# Altium PCB 2-quilter-output.PcbDoc (part 19 of 26) (continued)
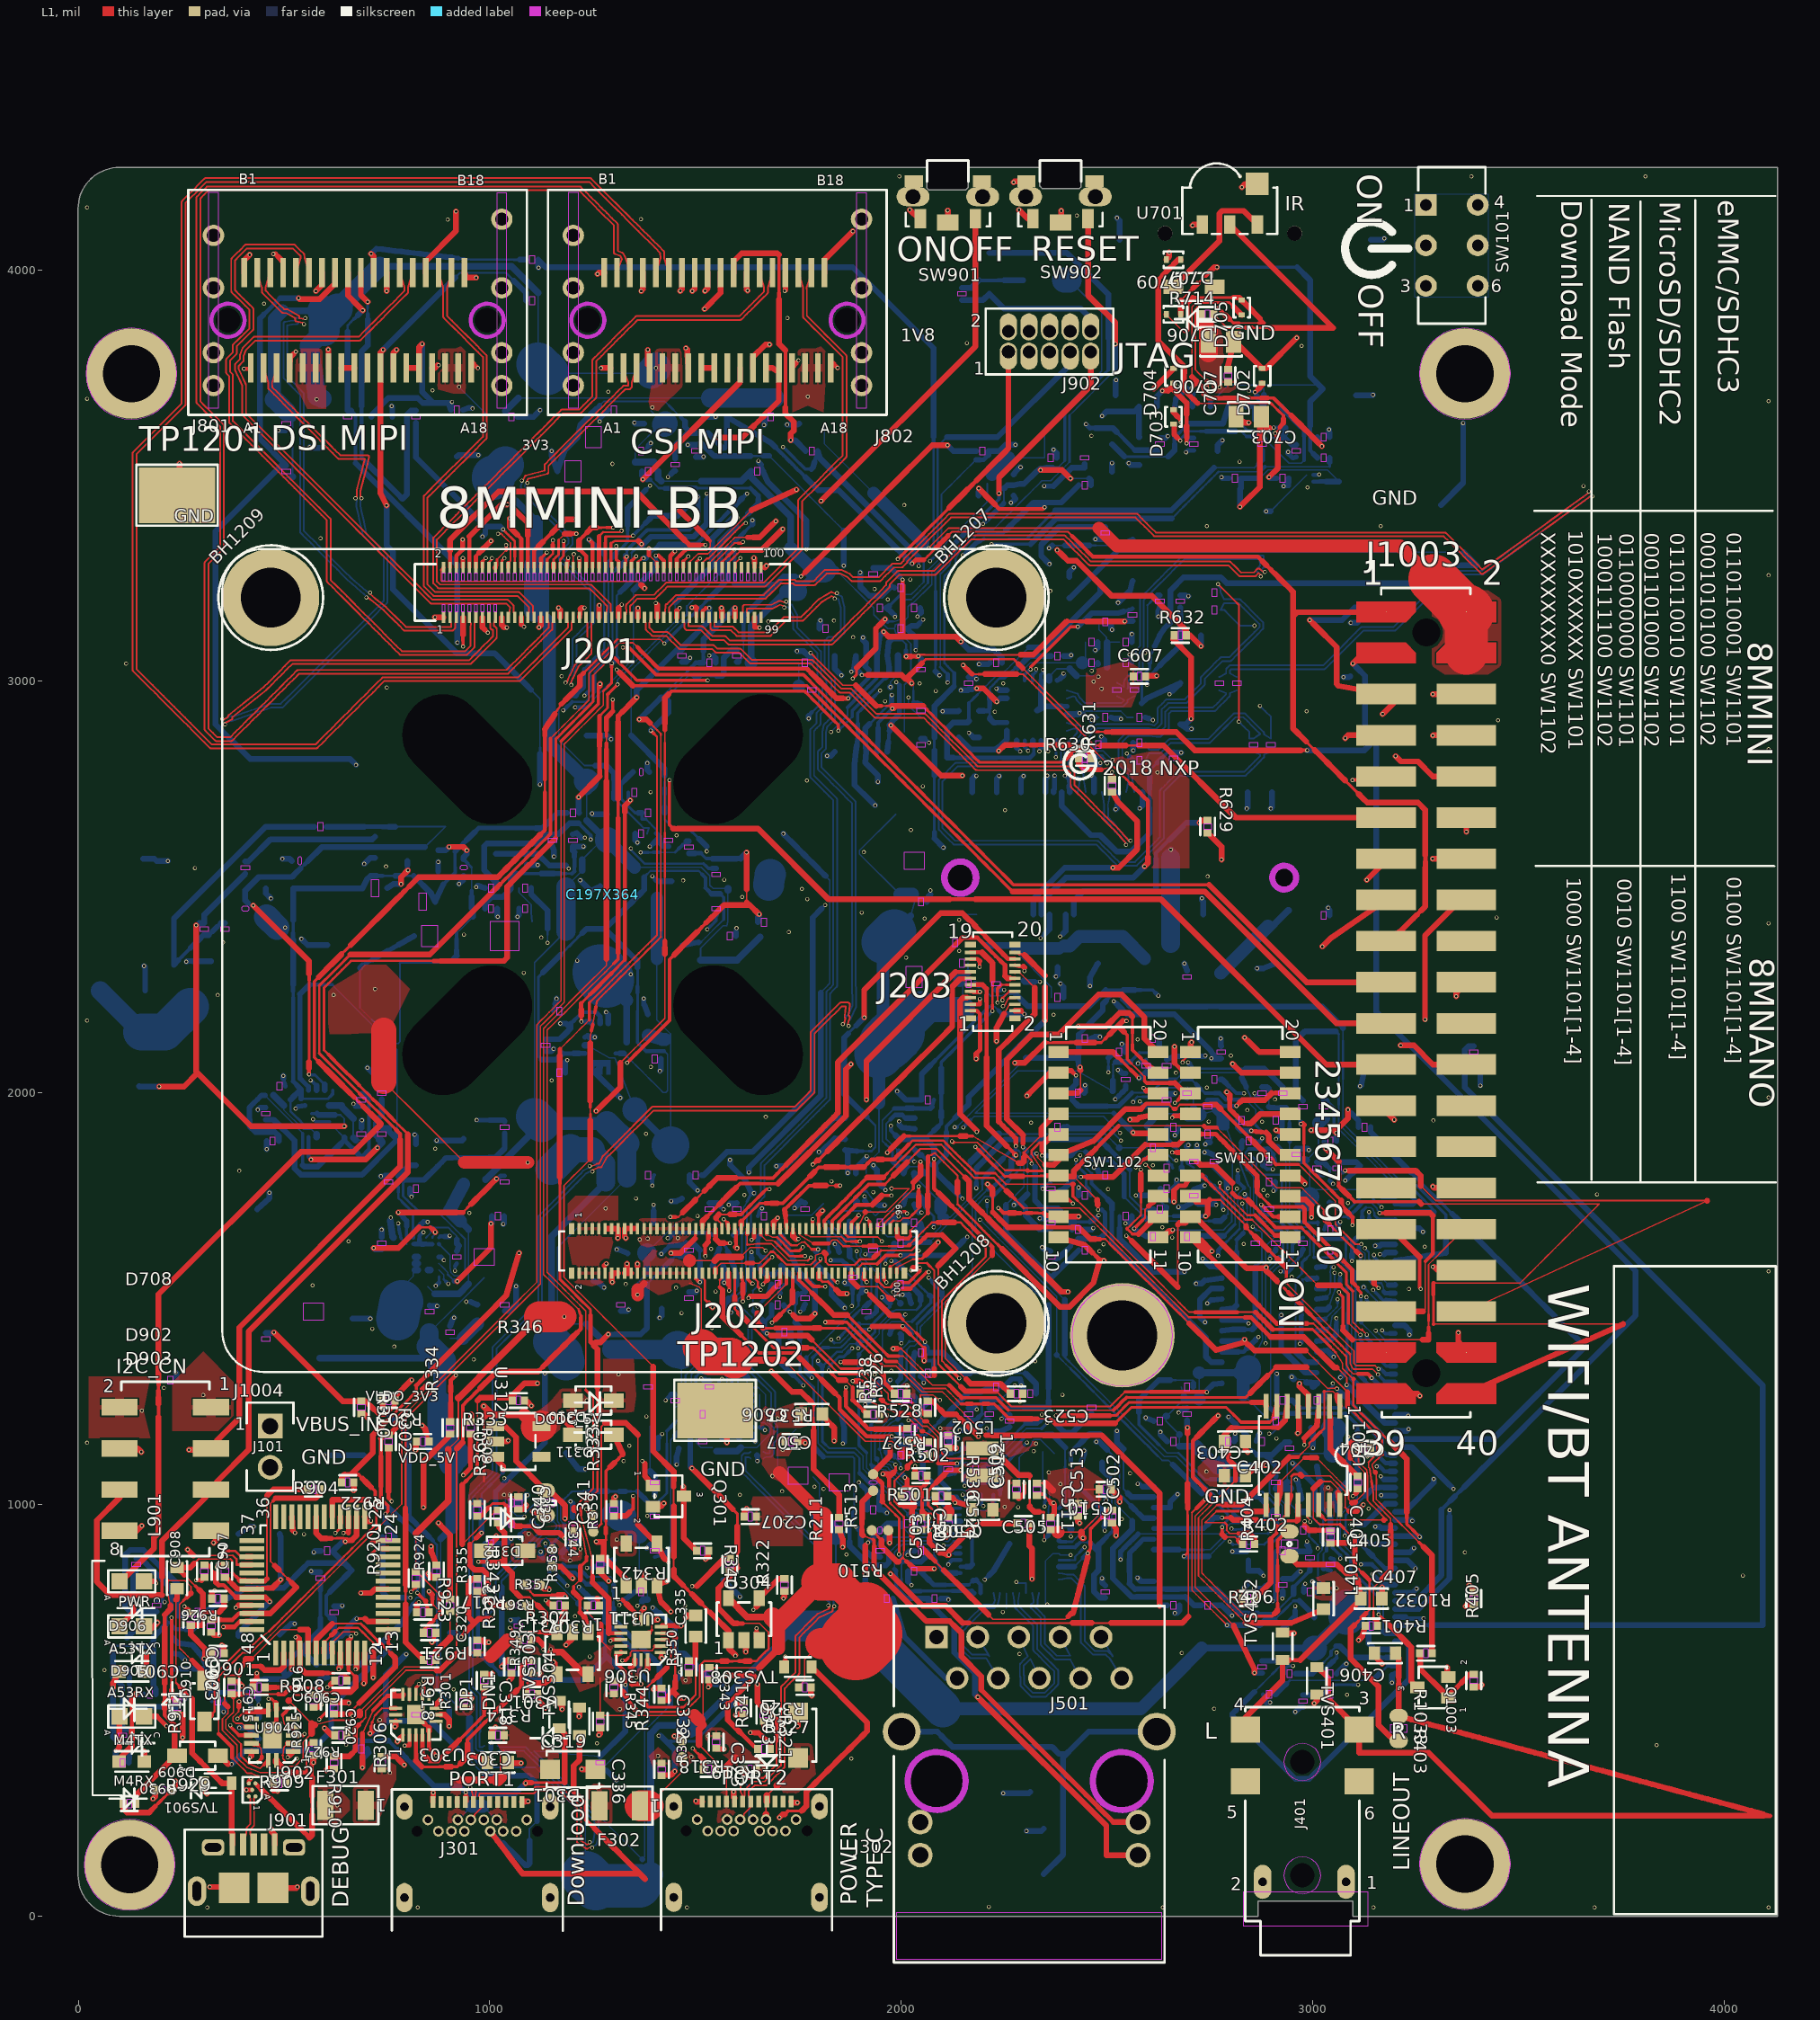
[diagram p0: L1 view]
## Nets (pads, with @x,y where several pads share a name; then routed paths per layer and width w, separated by ;. In a path a pad name is that pad's centre, name@x,y a point inside that pad or via, vN(x,y) a via of type N, cw(c..) or ccw(c..) an arc to the next point about the centre after c; other vN are vias at no path point) (continued)
  L1 w3.83: J202.87@1895,1673.96 1901.03,1686.01
  L1 w4.85: 2252.71,1811.6 2266.27,1811.6 2279.83,1811.6 2293.39,1811.6 2306.95,1811.6
  L1 w5.87: 2317.36,1851.64 2317.36,1859.8 2326.96,1869.4 2336.57,1879.01 ; 2342.75,1872.84 2336.58,1879.01 2349.72,1879.01
  L1 w6.9: 2309.71,1809.78 2320.57,1809.78 2332.37,1809.78 2344.16,1809.78 ; v1(2342.75,1847.32) 2342.75,1860.08
  L1 w7.92: 2308.29,1811.2 2309.71,1809.78
  L1 w9.96: J202.87@1894.97,1669.64 J202.87@1894.98,1673.94 ; v1(2123.93,1882.2) v1@2126.9,1879.23
  L1 w10.99: 2306.95,1811.6 2308.29,1811.2
  L1 w12.01: 2342.75,1860.08 2342.75,1872.84
  L1 w14.05: 2349.72,1879.01 2350.16,1879.01 2367.67,1896.53 SW1102.5@2382.63,1898.79
  L3 w3.5: 2821.11,1741.95 2832.91,1741.95 2844.06,1730.8 2855.21,1719.65 2866.36,1708.5 2877.51,1697.34 2888.66,1686.19 ; 2921.28,1667.94 2928.92,1667.94 2944.17,1667.94 2959.43,1667.94 2974.68,1667.94 2989.94,1667.94 3005.19,1667.94 3020.45,1667.94 3035.7,1667.94 3050.96,1667.94 3066.22,1667.94 3081.47,1667.94 3096.73,1667.94 3111.98,1667.94 3127.24,1667.94 3142.49,1667.94 3157.75,1667.94 3173.01,1667.94
  L3 w3.83: 2888.66,1686.19 2899.81,1675.04 2913.64,1667.95
  L3 w7.92: v1(3127.37,1622.29) 3136.5,1631.42 3145.63,1640.55
  L3 w8.94: 2812.29,1750.77 2821.11,1741.95 ; 3145.63,1640.55 3154.75,1649.67
  L3 w9.96: v1(2794.65,1768.4) 2803.47,1759.58 2812.29,1750.77 ; 3163.88,1658.8 3173.01,1667.93
  L3 w14.05: 2913.65,1667.94 2921.28,1667.94 ; 3154.75,1649.67 3163.88,1658.8
  L6 w7.92: 2111.19,1882.2 v1(2123.93,1882.2)
  L6 w9.96: v1(1976.88,1767.16) 1987.19,1777.47 ; 2018.12,1818.96 2018.12,1829.52 2018.12,1840.09
  L6 w12.01: 2018.12,1840.09 2028.65,1850.61 2039.18,1861.14 2049.71,1871.67 2060.23,1882.2 2072.97,1882.2 2085.71,1882.2 2098.45,1882.2 2111.19,1882.2
  L6 w14.05: 1987.19,1777.47 1997.5,1787.78 2007.81,1798.09 2018.12,1808.39 2018.12,1818.96
  L8 w3.5: 2423.19,1858.86 2434.59,1858.86 2448.42,1856.6 ; 2794.58,1705.86 2794.58,1720.34
  L8 w3.83: 2616.11,1688.35 2630.73,1688.35 2645.35,1688.35 2659.98,1688.35 2674.6,1688.35 2689.22,1688.35 2703.84,1688.35 2718.46,1688.35 2733.08,1688.35 2747.7,1688.35 ; 2793.44,1754.63 2793.44,1743.58 2793.44,1732.53 2793.44,1721.47 2794.58,1720.34
  L8 w4.85: 2542.15,1747.7 2552.04,1737.81 2561.93,1727.92 2571.82,1718.03 2581.71,1708.13 2591.6,1698.24 ; 2785.83,1697.1 2794.58,1705.85 ; 2790.86,1764.37 2793.44,1754.63 ; v1@3127.37,1622.15 3137.19,1612.33 3137.19,1596.58 3148.18,1585.59 3159.16,1574.61 3170.15,1563.62 J1001.11@3181.13,1552.64
  L8 w5.87: 2601.49,1688.35 2616.11,1688.35
  L8 w6.9: 2747.7,1688.35 2762.32,1688.35
  L8 w7.92: v1(2342.75,1847.32) 2356.53,1847.32 ; v1@2792.51,1770.55 v1(2794.65,1768.4) ; v1@3127.37,1622.15 v1(3127.37,1622.29)
  L8 w8.94: J1001.11@3181.13,1552.64 J1001.11@3190.93,1552.64
  L8 w10.99: 2790.86,1764.41 v1@2792.12,1770.55
  L8 w12.01: 2448.42,1856.6 2458.18,1846.84 2467.94,1837.08 2481.2,1837.08 ; 2494.45,1837.08 2507.71,1837.08 2516.32,1828.47 2524.93,1819.86 2533.54,1811.25 2542.15,1802.64 2542.15,1788.9 2542.15,1775.17 2542.15,1761.43 2542.15,1747.7
  L8 w13.03: 2791.03,1773.73 2792.12,1770.55 v1@2792.51,1770.55
  L8 w14.05: 2356.53,1847.32 2370.31,1847.32 2384.09,1847.32 2397.87,1847.32 2411.65,1847.32 2423.19,1858.86 ; 2481.2,1837.08 2494.45,1837.08 ; 2591.6,1698.24 2601.49,1688.35 ; R1128.1@2761.62,1818.5 2791.03,1789.09 2791.03,1773.73 ; 2762.32,1688.35 2776.94,1688.35 2777.08,1688.35 2785.83,1697.1 ; J1001.11@3190.93,1552.64 J1001.11@3200.73,1552.65
SAI1_TXD3: J202.91 J1001.12 R1130.1 SW1102.6 | length 1959.5
  L1 w3.5: v1(2329.64,1852.07) 2332,1849.71 2332,1842.84 2340.8,1834.03 2349.61,1825.23 ; 2667.22,1960.62 2677.74,1971.14 ; 2966.75,1825.9 2977.89,1814.76 2989.04,1803.61 3000.18,1792.47 3011.33,1781.32 3022.47,1770.18 3033.61,1759.03 3044.76,1747.89 3055.9,1736.75 3055.9,1722.72 3055.9,1708.69 3055.9,1694.66 3055.9,1680.63
  L1 w4.85: 2649.93,1973.18 2656.24,1966.87 2662.49,1960.62 ; 3055.9,1680.63 3065.58,1670.96 3075.26,1661.28 3084.93,1651.6 3094.61,1641.93 3104.28,1632.25 v1(3118.45,1632.25)
  L1 w5.87: 2677.74,1971.14 2692.5,1971.14 2707.25,1971.14 2722.01,1971.14 2736.76,1971.14
  L1 w6.9: 2911.5,1825.91 2925.31,1825.91 2939.12,1825.91 2952.93,1825.91 2966.74,1825.91
  L1 w7.92: v1(1916.53,1694.11) 1923.74,1686.9
  L1 w8.94: 1923.74,1686.9 1923.74,1683.15 J202.91@1926.46,1669.64 ; 2776.65,1960.76 2787.02,1950.39 2797.4,1940.02 2807.77,1929.64 2818.14,1919.27 2828.52,1908.9 2838.89,1898.52 2849.26,1888.15 ; 2901.13,1836.28 2911.5,1825.91
  L1 w9.96: 2586.24,1963.67 2595.75,1973.18 2609.29,1973.18 2622.84,1973.18 2636.38,1973.18 2649.93,1973.18
  L1 w10.99: 2662.49,1960.62 2667.22,1960.62
  L1 w13.03: 2349.61,1825.23 2360.61,1825.23 ; 2582.67,1960.11 2586.24,1963.67 ; 2736.76,1971.14 2751.52,1971.14
  L1 w14.05: 2360.61,1825.23 2371.62,1825.23 ; 2371.63,1825.23 2382.63,1836.24 SW1102.6@2382.63,1848.79 2467.74,1882.82 2545.03,1960.11 2582.67,1960.11 ; 2751.52,1971.14 2766.28,1971.14 2776.65,1960.76 ; 2849.26,1888.15 2859.64,1877.78 2870.01,1867.4 2880.38,1857.03 2890.76,1846.66 2901.13,1836.28
  L3 w3.5: 2000.56,1715.86 2002.72,1707.31 2004.88,1698.77
  L3 w3.83: 2004.88,1663.28 2004.88,1675.11 2004.88,1686.94 2004.88,1698.77 ; 2127.4,1680.23 2141.63,1680.23 2155.87,1680.23 2170.1,1680.23 2184.34,1680.23 2198.57,1680.23
  L3 w4.85: 2045.87,1721.05 2059.43,1721.05 ; 2073,1721.05 2086.57,1721.05 2096.77,1710.84 2106.97,1700.64 2117.18,1690.44 2127.38,1680.24 ; 2198.57,1680.23 2212.81,1680.23 2227.04,1680.23 2236.45,1689.64
  L3 w5.87: 2032.3,1721.05 2045.87,1721.05 ; 2236.45,1689.64 2245.86,1699.05 2255.27,1708.46
  L3 w6.9: 1937.09,1673.55 1947.36,1663.28 1961.74,1663.28 1976.12,1663.28 1990.5,1663.28 2004.87,1663.28 ; 2018.73,1721.05 2032.3,1721.05 ; 2059.43,1721.05 2073,1721.05
  L3 w7.92: 2255.27,1708.46 2264.68,1717.87 v1(2274.09,1727.28)
  L3 w8.94: 2005.17,1721.05 2018.73,1721.05
  L3 w14.05: v1(1916.53,1694.11) 1926.81,1683.83 1937.09,1673.55 ; 2000.56,1715.86 2000.56,1716.44 2005.17,1721.05
  L8 w3.5: 2306.94,1753.53 2306.94,1768.87 2306.94,1784.21 2306.94,1799.55 2306.94,1814.9 2306.94,1830.24 2313.3,1843.14 ; 3112.53,1619.33 3125.36,1611.27 3128.08,1608.55 3128.08,1599.23 3128.08,1589.91 3137.57,1580.42 3147.07,1570.93 3156.56,1561.44 3166.05,1551.94 3175.54,1542.45 J1001.12@3185.04,1532.96
  L8 w7.92: 3112.53,1626.33 v1(3118.45,1632.25)
  L8 w8.94: 2313.3,1843.14 2322.23,1852.07 v1(2329.64,1852.07)
  L8 w10.99: 3112.53,1619.33 3112.53,1626.33
  L8 w13.03: J1001.12@3185.04,1532.96 J1001.12@3200.73,1532.96
  L8 w14.05: v1(2274.09,1727.28) 2281.57,1734.75 2288.16,1734.75 ; 2302.37,1720.54 2288.16,1734.75 ; 2302.38,1720.54 2302.38,1702.44 2335.74,1669.07 R1130.1@2363.5,1669.09 ; 2306.94,1753.53 2288.16,1734.75
SAI1_TXD4: J202.93 J1001.13 R1132.1 SW1102.7 | length 2021.8
  L1 w3.5: J202.93@1944.23,1680.92 1954.96,1691.65 1965.69,1702.38 1976.42,1713.11 1987.15,1723.84 1997.88,1734.57 2008.61,1745.3 2019.34,1756.03 2030.07,1766.76 ; 2419.58,1796.88 2429.03,1787.43 2438.48,1777.98 2447.93,1768.53 2457.38,1759.08 2466.83,1749.63 2476.28,1740.18 ; 2528.99,1919.6 2543.82,1919.6 2558.65,1919.6 2573.49,1919.6 2588.32,1919.6 2603.15,1919.6 2617.98,1919.6 2632.82,1919.6 2647.65,1919.6 2662.48,1919.6 2677.32,1919.6 2692.15,1919.6 2706.98,1919.6 2721.82,1919.6 2736.65,1919.6 ; 2766.97,1915.44 2777.38,1905.03 2787.8,1894.61 2798.22,1884.19 2808.63,1873.78 2819.05,1863.36 2829.47,1852.94 2839.88,1842.53 2850.3,1832.11 2860.72,1821.69 2871.13,1811.27 2881.55,1800.86 2891.97,1790.44 2902.39,1780.02 2912.8,1769.61 2927.95,1769.61 2943.1,1769.61 2958.24,1769.61 2973.39,1769.61 2983.07,1759.92 2992.75,1750.24 3002.44,1740.56 3012.12,1730.88 3021.8,1721.2 3031.48,1711.51
  L1 w5.87: 2232.05,1817.06 2242.3,1806.8 2252.56,1796.54 ; 2295.94,1797.28 2310.39,1797.53 2324.84,1797.78 2339.29,1798.03 2353.74,1798.28 ; 3041.75,1679.73 3052.02,1669.46 3062.88,1658.6 3073.73,1647.75 3084.59,1636.89 3095.44,1626.04 3106.3,1615.18
  L1 w6.9: 2030.07,1766.76 2030.07,1774.69 2030.07,1782.62 ; 2252.58,1796.53 2253.04,1796.53 2267.04,1796.78
  L1 w7.92: v1(2180.62,1868.48) 2191.02,1858.08 2201.27,1847.83 2211.53,1837.57 2221.79,1827.31 2232.05,1817.06 ; 2477.47,1728.11 v1(2478.65,1716.03)
  L1 w9.96: J202.93@1942.21,1669.64 J202.93@1944.23,1680.92 ; 2474.28,1864.9 2485.22,1875.84 2496.16,1886.78 2507.1,1897.72 2518.05,1908.66 2528.99,1919.6 ; 2740.81,1915.44 2753.89,1915.44 2766.97,1915.44
  L1 w10.99: 2047.31,1822.92 v1(2047.31,1832.3) ; 2430.52,1821.14 2441.46,1832.08 ; 2736.65,1919.6 2740.81,1915.44
  L1 w12.01: 2353.74,1798.28 SW1102.7@2368.19,1798.53 ; 2441.46,1832.08 2452.4,1843.02 ; 3031.49,1689.99 3041.75,1679.73 ; 3106.3,1615.18 v1(3117.15,1604.33)
  L1 w13.03: 2267.04,1796.78 2281.49,1797.03 2295.94,1797.28 ; 2463.34,1853.96 2474.28,1864.9
  L1 w14.05: 2030.07,1782.62 2047.31,1799.86 2047.31,1813.55 2047.31,1822.92 ; SW1102.7@2368.19,1798.53 SW1102.7@2382.63,1798.79 2384.54,1796.88 2419.58,1796.88 2419.58,1810.2 2430.52,1821.14 ; 2452.4,1843.02 2463.34,1853.96 ; 2476.28,1740.18 2477.47,1728.11 ; 3031.49,1689.99 3031.49,1711.51
  L3 w10.99: v1(2047.31,1832.3) 2055.36,1824.25
  L3 w14.05: 2055.36,1824.25 2063.4,1816.2 2128.34,1816.2 v1(2180.62,1868.48)
  L8 w3.83: 3167.49,1537.62 3172.61,1526.34 3172.61,1517.32
  L8 w4.85: 3149.35,1537.62 3158.42,1537.62 3167.49,1537.62
  L8 w5.87: 2411.78,1626.95 2421.2,1636.37
  L8 w6.9: 2374.09,1589.26 2383.51,1598.68
  L8 w7.92: v1(2478.65,1716.03) 2478.84,1715.84 2487.9,1715.84 ; 3117.15,1581.32 3117.15,1592.83 v1(3117.15,1604.33)
  L8 w8.94: 2421.2,1636.37 2430.62,1645.79
  L8 w9.96: R1132.1@2363.5,1586.08 2374.09,1589.26
  L8 w10.99: 2487.9,1715.84 2496.02,1707.72 2496.02,1695.37 2496.02,1683.01 2496.02,1670.65 2496.02,1658.3 2489.77,1652.05 ; 3117.15,1581.32 3117.15,1569.82 3127.89,1559.09 ; 3172.61,1517.32 3176.67,1513.27 J1001.13@3188.06,1513.27
  L8 w12.01: 2402.35,1617.52 2411.78,1626.95
  L8 w13.03: 3138.62,1548.36 3149.35,1537.62 ; J1001.13@3188.06,1513.27 J1001.13@3200.73,1513.28
  L8 w14.05: 2383.51,1598.68 2392.93,1608.1 2402.35,1617.52 ; 2430.62,1645.79 2483.51,1645.79 2489.77,1652.05 ; 3127.89,1559.09 3138.62,1548.36
SAI1_TXD5: J202.95 J1001.14 R1134.1 SW1102.8 | length 1553.1
  L1 w4.85: J202.95@1958.21,1681.35 1968.3,1691.43 1978.38,1701.52
  L1 w5.87: J202.95@1957.96,1669.64 J202.95@1958.21,1681.35 ; 1978.38,1701.52 1988.46,1711.6 1999.24,1711.6
  L1 w7.92: 1999.24,1711.6 2010.01,1711.6 v1(2014.45,1707.16) ; SW1102.8@2399.34,1748.78 2409.44,1738.67 v1(2417.37,1730.74)
  L1 w14.05: SW1102.8@2382.63,1748.79 SW1102.8@2399.34,1748.78
  L3 w3.83: v1(2014.45,1707.16) 2014.45,1694.09 2014.45,1681.02 2014.45,1667.95 2025.53,1656.87 2036.61,1645.78 ; 2155.31,1660.99 2170.86,1660.99 2186.42,1660.99 2201.97,1660.99 2217.52,1660.99 2233.07,1660.99 2248.62,1660.99 2264.17,1660.99 2279.72,1660.99 2295.27,1660.99 2310.83,1660.99
  L3 w4.85: 2145.97,1651.64 2155.31,1660.99
  L3 w5.87: 2047.7,1634.7 2058.78,1623.61 2073.57,1623.61 2088.36,1623.61 2103.15,1623.61 2117.94,1623.61 2127.28,1632.96 ; 2310.83,1660.99 2326.38,1660.99 2336.18,1670.79
  L3 w6.9: 2659.39,1722.65 v1(2674.32,1722.65)
  L3 w7.92: 2394.97,1729.58 2404.77,1739.38 v1@2413.24,1733.4 ; 2644.46,1722.65 2659.39,1722.65
  L3 w10.99: 2136.63,1642.3 2145.97,1651.64
  L3 w13.03: 2336.18,1670.79 2345.97,1680.59
  L3 w14.05: 2036.61,1645.78 2047.7,1634.7 ; 2127.28,1632.96 2136.63,1642.3 ; 2345.97,1680.59 2355.77,1690.38 2365.57,1700.18 2375.37,1709.98 2385.17,1719.78 2394.97,1729.58 ; v1(2417.37,1730.74) 2415.89,1730.74 2413.23,1733.4 2419.76,1732.41 2485.43,1732.41 2495.18,1722.65 2510.11,1722.65 2525.04,1722.65 2539.97,1722.65 2554.9,1722.65 2569.82,1722.65 2584.75,1722.65 2599.68,1722.65 2614.61,1722.65 2629.53,1722.65 2644.46,1722.65
  L6 w3.5: 2822.72,1644.58 2837.54,1644.58 2852.37,1644.58 2867.19,1644.58 2882.02,1644.58 2896.84,1644.58 2911.67,1644.58 2926.49,1644.58 2941.32,1644.58 2956.14,1644.58 2966.99,1633.73 2977.84,1622.88 2988.69,1612.03 2999.54,1601.18 3010.38,1590.34 3021.23,1579.49 3032.08,1568.64 3042.93,1557.79 3053.78,1546.94
  L6 w3.83: 3053.78,1546.94 3067.4,1546.94
  L6 w4.85: 3067.4,1546.94 3081.02,1546.94
  L6 w7.92: v1(3147.12,1520.7) 3147.12,1535.34
  L6 w12.01: v1(2765.75,1727.78) 2768.45,1725.08 2768.45,1711.96 2768.45,1698.84 2779.31,1687.99 2790.16,1677.14 2801.01,1666.29 2811.86,1655.43 2822.72,1644.58
  L6 w14.05: 3081.02,1546.94 3094.65,1546.94 3108.27,1546.94 3121.89,1546.94 3135.51,1546.94 3147.12,1535.34
  L8 w6.9: v1(3147.12,1520.7) 3153.25,1514.57
  L8 w7.92: 3153.25,1514.57 3159.38,1508.44 3165.51,1502.31 3171.64,1496.18 J1001.14@3178.74,1496.18
  L8 w9.96: v1@2763.71,1729.83 v1(2765.75,1727.78)
  L8 w12.01: J1001.14@3178.74,1496.18 J1001.14@3189.73,1494.88
  L8 w13.03: J1001.14@3189.73,1494.88 J1001.14@3200.73,1493.59
  L8 w14.05: v1(2674.32,1722.65) 2687.87,1722.65 ; 2687.88,1722.66 R1134.1@2711.86,1735.49 2722.43,1729.83 v1@2763.71,1729.83
SAI1_TXD6: J202.97 J1001.15 R1139.1 SW1102.9 | length 1818.7
  L1 w3.5: 1983.56,1689.58 1990.04,1688.5 1994.11,1688.46 1997.69,1688.17 2004.83,1695.31
  L1 w3.83: 1981.49,1689.58 1983.56,1689.58
  L1 w4.85: 2004.83,1695.31 2019.46,1695.31 2026.58,1702.43 ; 2034.72,1710.57 2042.86,1718.7 2042.86,1723.98
  L1 w5.87: J202.97@1973.71,1669.64 1975.15,1683.23 1981.49,1689.58
  L1 w6.9: 2026.58,1702.43 2034.72,1710.57 ; 2290.6,1707.77 2304.54,1707.77 ; 2332.41,1707.77 2346.35,1707.77
  L1 w7.92: 2042.86,1760.18 v1(2042.86,1772.26) ; 2318.48,1707.77 2332.41,1707.77
  L1 w9.96: v1(2236.34,1720.23) 2242.57,1714 2248.8,1707.77 2262.73,1707.77 ; 2304.54,1707.77 2318.48,1707.77
  L1 w10.99: 2042.86,1748.12 2042.86,1760.18 ; 2276.67,1707.77 2290.6,1707.77 ; 2346.35,1707.77 2351.86,1702.25
  L1 w14.05: 2042.86,1723.98 2042.86,1736.05 2042.86,1748.12 ; 2262.73,1707.77 2276.67,1707.77 ; 2351.86,1702.25 SW1102.9@2382.63,1698.79 2382.97,1699.1 v1(2431.47,1699.1)
  L3 w3.5: 2077.63,1772.26 2087.95,1761.94 2098.27,1751.62 2108.59,1741.3 2118.91,1730.98 2129.22,1720.66 2139.54,1710.34 2154.04,1710.34 2168.52,1710.34 2183,1710.34 2197.48,1710.34 2211.96,1710.34 2226.44,1710.34 v1(2236.34,1720.23) ; 2880.33,1597.69 2890.09,1587.92 2899.86,1578.16
  L3 w4.85: 2066.04,1772.26 2077.63,1772.26 ; 2914.08,1578.16 2928.3,1578.16 ; 3051.43,1527.41 3065.96,1527.41 3080.5,1527.41 ; 3095.04,1527.41 3109.57,1527.41 v1(3124.11,1527.41)
  L3 w5.87: 2899.86,1578.16 2914.08,1578.16
  L3 w6.9: 2928.3,1578.16 2942.53,1578.16 2952.68,1568.01 2962.83,1557.86
  L3 w7.92: v1(2042.86,1772.26) 2054.45,1772.26 2066.04,1772.26 ; v1(2492.46,1632.08) 2501.04,1623.5 ; v1(2783.81,1715.65) 2791.93,1707.52 2791.93,1696.71
  L3 w8.94: 2962.83,1557.86 2972.98,1547.71
  L3 w14.05: 2501.04,1623.5 2729.53,1623.5 2791.93,1685.9 ; 2791.93,1696.71 2791.93,1685.9 ; 2880.33,1597.69 2880.33,1608.23 2839.37,1649.19 2828.64,1649.19 2791.93,1685.9 ; 2972.98,1547.71 2983.13,1537.56 2993.28,1527.41 3007.82,1527.41 3022.35,1527.41 3036.89,1527.41 3051.43,1527.41 ; 3080.5,1527.41 3095.04,1527.41
  L6 w14.05: v1(2431.47,1699.1) 2431.47,1683.92 2483.31,1632.08 v1(2492.46,1632.08)
  L8 w3.83: 3134.82,1516.7 3145.52,1506 3156.22,1495.3 3166.92,1484.6
  L8 w5.87: 3166.92,1484.6 3177.62,1473.9
  L8 w6.9: 2682.31,1819.14 2682.31,1834.81 2682.31,1850.48 ; 2738.93,1794.12 2749.45,1783.6 2759.96,1773.09 ; v1(3124.11,1527.41) 3134.82,1516.7
  L8 w7.92: 2664.37,1868.42 2673.34,1859.45 2682.31,1850.48 ; v1@2781,1718.46 v1@2783.81,1715.65
  L8 w8.94: 2770.48,1762.57 2781,1752.05
  L8 w9.96: 2655.39,1877.4 2664.37,1868.42 ; v1@2781,1718.46 2781,1729.66 2781,1740.85 2781,1752.05
  L8 w13.03: 2759.96,1773.09 2770.48,1762.57
  L8 w14.05: R1139.1@2647.33,1916.27 2646.42,1913.5 2646.42,1886.37 2655.39,1877.4 ; 2682.31,1819.14 2682.31,1812.84 2701.03,1794.12 2738.93,1794.12 ; 3177.62,1473.9 J1001.15@3200.73,1473.91
SAI1_TXD7: J202.99 J1001.16 R1140.1 SW1102.10 | length 2137
  L1 w3.5: 2022.96,1665.58 2033.71,1676.33 2044.11,1686.73 2054.51,1697.13 2064.9,1707.53
  L1 w4.85: 2064.91,1844.65 2073.67,1849.12 2082.43,1853.59 2093.41,1842.61 2104.39,1831.64 2115.36,1820.66 2126.34,1809.68 2137.32,1798.7 2137.32,1784.73 ; 2137.32,1728.84 2137.32,1742.81 2137.32,1756.78
  L1 w5.87: 2022.96,1651.37 2022.96,1665.58 ; 2137.32,1728.84 2148.17,1717.98 2159.02,1707.13 2169.88,1696.28 2180.73,1685.43 2191.58,1674.58 2202.43,1663.73 2213.28,1652.88 2224.13,1642.02 2234.98,1631.17
  L1 w7.92: 2234.98,1631.17 2245.83,1620.32
  L1 w8.94: 2017.44,1645.84 2022.96,1651.37
  L1 w9.96: 2004.75,1645.84 2017.44,1645.84 ; 2064.91,1707.54 2064.91,1722.77 ; 2064.91,1753.24 2064.91,1768.48 2064.91,1783.71 2064.91,1798.95 2064.91,1814.18 2064.91,1829.42 ; 2464.6,1612.11 2473.81,1602.9
  L1 w10.99: J202.99@1990.64,1657.75 1991.44,1649.65 ; 1995.24,1645.84 2004.75,1645.84 ; 2064.91,1829.42 2064.91,1844.65 ; 2473.81,1602.9 2483.02,1593.69
  L1 w12.01: J202.99@1989.46,1669.64 J202.99@1990.64,1657.75
  L1 w14.05: 1991.44,1649.65 1995.24,1645.84 ; 2064.91,1722.77 2064.91,1738.01 2064.91,1753.24 ; 2137.32,1756.78 2137.32,1770.75 2137.32,1784.73 ; 2245.83,1620.32 2256.69,1609.47 2267.54,1598.62 2278.39,1587.77 2289.24,1576.92 2300.09,1566.07 2310.94,1555.21 2321.79,1544.36 2332.64,1533.51 2343.5,1522.66 2354.35,1511.81 2365.2,1500.96 2376.05,1490.11 2386.9,1479.26 2408.61,1479.25 2467.07,1537.72 ; SW1102.10@2382.63,1648.79 2446.16,1630.54 2455.38,1621.33 2464.6,1612.11 ; 2467.07,1537.73 2483.03,1593.67 2484.54,1592.16 v1(2492.87,1592.16)
  L3 w3.83: 3122.65,1494.58 v1(3131.4,1503.34)
  L3 w5.87: 3113.89,1485.83 3122.65,1494.58
  L3 w7.92: v1(2492.87,1592.16) 2507.98,1592.16 2523.08,1592.16 2538.18,1592.16 2553.29,1592.16 2568.39,1592.16 2583.49,1592.16 2598.59,1592.16 2613.7,1592.16
  L3 w9.96: 2613.7,1592.16 2628.8,1592.16 2643.9,1592.16 2659.01,1592.16 2674.11,1592.16 2689.21,1592.16 2698.93,1582.44
  L3 w13.03: 2718.8,1562.58 2728.95,1552.43 2739.1,1542.28
  L3 w14.05: v1(2688.59,1565.06) 2696.26,1572.73 2708.65,1572.73 ; 2698.93,1582.44 2708.65,1572.73 ; 2718.8,1562.58 2708.65,1572.73 ; 2739.1,1542.28 2748.54,1532.84 2949.33,1532.84 2974.11,1508.07 3020.2,1508.07 3051.2,1477.06 3105.13,1477.06 3113.89,1485.83
  L8 w7.92: v1(3131.4,1503.34) 3131.4,1496.29 3141.92,1485.77
  L8 w8.94: 2531.2,1671.25 2531.2,1685.84 R1140.1@2531.2,1700.43 ; 3162.96,1464.73 3173.48,1454.21
  L8 w9.96: 3152.44,1475.25 3162.96,1464.73
  L8 w14.05: 2531.2,1671.25 2531.2,1656.65 2531.2,1646.05 2612.2,1565.06 2671.38,1565.06 v1(2688.59,1565.06) ; 3141.92,1485.77 3152.44,1475.25 ; 3173.48,1454.21 J1001.16@3200.73,1454.22
SAI1_TXFS: J202.100 J1001.8 | length 1374.6
  L1 w3.5: 1996.35,1579.6 2007.32,1584.82 2018.29,1590.04 2029.26,1595.26
  L1 w3.83: J202.100@1989.47,1572.73 1996.34,1579.6
  L1 w5.87: 2029.26,1595.26 2036.59,1595.26 2038.11,1596.78 2050.4,1596.78
  L1 w6.9: 2050.4,1596.78 2059.83,1606.21
  L1 w9.96: J202.100@1989.46,1561.94 J202.100@1989.47,1572.73
  L1 w14.05: 2059.83,1606.21 2069.26,1615.64 2078.68,1625.07 v1(2090.29,1636.68)
  L3 w3.5: 3106.8,1622.32 3119.44,1614.87 3131.6,1607.7
  L3 w3.83: 2124.22,1670.61 2139.85,1670.61 2155.49,1670.61 2171.12,1670.61 ; 2186.75,1670.61 2202.39,1670.61 2218.02,1670.61 2233.65,1670.61 ; 3141.05,1617.15 3152.68,1617.15 3163.55,1617.15
  L3 w4.85: 2115.74,1662.13 2124.22,1670.61 ; 2171.12,1670.61 2186.75,1670.61 ; 2233.65,1670.61 2249.29,1670.61 2264.92,1670.61 2280.55,1670.61 2296.19,1670.61 2306.43,1680.85 ; 2316.68,1691.1 2326.92,1701.35 2337.17,1711.59 ; 2561.45,1762.47 2577.12,1762.47 ; 2791.75,1751.57 2802.65,1740.67 2813.55,1729.78 2824.44,1718.88 2835.34,1707.98 2846.24,1697.09 ; 2863.83,1696.91 2874.49,1686.26 2885.14,1675.6 2895.8,1664.95 2906.46,1654.29 2917.11,1643.64 2927.77,1632.98 2938.42,1622.32 2953.73,1622.32 2969.04,1622.32 2984.34,1622.32 2999.65,1622.32 3014.95,1622.32 3030.26,1622.32 3045.57,1622.32 3060.87,1622.32 3076.18,1622.32 3091.49,1622.32 3106.79,1622.32
  L3 w5.87: 2733.84,1762.47 2749.51,1762.47 ; 2846.24,1697.09 2854.83,1697.09 2863.43,1697.09
  L3 w6.9: 2718.17,1762.47 2733.84,1762.47 ; 2780.85,1762.47 2791.75,1751.57 ; 2863.43,1697.09 2863.83,1696.91
  L3 w7.92: 2393.92,1752.58 2409.68,1752.58 ; 2488.5,1752.58 2504.27,1752.58 2520.03,1752.58 ; 2577.12,1762.47 2592.79,1762.47 ; 3131.6,1607.7 3141.05,1617.15 ; v1(3164.26,1607.51) 3164.26,1616.44
  L3 w8.94: v1(2090.29,1636.68) 2098.77,1645.16 ; 2409.68,1752.58 2425.45,1752.58 ; 2765.18,1762.47 2780.85,1762.47
  L3 w10.99: 2551.56,1752.58 2561.45,1762.47
  L3 w13.03: 3163.55,1617.15 3164.26,1616.44
  L3 w14.05: 2098.77,1645.16 2107.26,1653.64 2115.74,1662.13 ; 2306.43,1680.85 2316.68,1691.1 ; 2337.17,1711.59 2347.42,1721.84 2357.66,1732.09 2367.91,1742.33 2378.16,1752.58 2393.92,1752.58 ; 2425.45,1752.58 2441.21,1752.58 2456.97,1752.58 2472.74,1752.58 2488.5,1752.58 ; 2520.03,1752.58 2535.79,1752.58 2551.56,1752.58 ; 2592.79,1762.47 2608.46,1762.47 2624.13,1762.47 2639.81,1762.47 2655.48,1762.47 2671.15,1762.47 2686.82,1762.47 2702.49,1762.47 2718.17,1762.47 ; 2749.51,1762.47 2765.18,1762.47
  L8 w8.94: v1(3164.26,1607.51) 3174.18,1607.51
  L8 w14.05: 3174.18,1607.51 3178.36,1611.69 J1001.8@3200.73,1611.7
SAI2_3_MCLK: J1001.39 R1005.1 R1006.1 | length 330.3
  L3 w7.92: 3027.95,950.85 3040.95,950.85 3053.95,950.85 3066.95,950.85 3079.95,950.85 v1(3092.96,950.85)
  L3 w14.05: v1(2987.08,909.99) 3027.95,950.85
  L8 w7.92: 2987.08,900.95 v1(2987.08,909.99) ; v1(3092.96,950.85) 3101.75,950.85
  L8 w9.96: 3101.75,950.85 3110.55,950.85
  L8 w14.05: R1005.1@2942.27,886.97 2944.1,885.14 2983.86,885.14 R1006.1@2993.86,885.13 2988.54,899.49 2987.08,900.95 ; 3110.55,950.85 3126.63,950.85 3177.23,1001.46 J1001.39@3200.73,1001.47
SAI2_MCLK: J202.66 R213.1 | length 1591.4
  L1 w3.5: 1650.65,1464.58 1660.81,1474.73 1670.97,1484.89 1681.12,1495.05 1691.28,1505.21 1701.44,1515.36 1711.6,1525.52 1721.75,1535.68 ; 2023.6,1300.84 2032.79,1291.65 2041.97,1282.47 2051.16,1273.29 2063.51,1273.29 2075.87,1273.29 2088.23,1273.29 2100.58,1273.29 2111.15,1262.73 2121.71,1252.17 2132.26,1241.62 2142.82,1231.06 2153.38,1220.5 2163.93,1209.95 2174.49,1199.39 2185.05,1188.83 2195.61,1178.27 2206.16,1167.72
  L1 w3.83: 1956.81,1335.8 1967.42,1335.8 1978.03,1335.8 1988.63,1335.8 1997.37,1327.06 2006.1,1318.33 2014.84,1309.59 2023.58,1300.85
  L1 w6.9: 1664.08,1428.13 1679.49,1428.13 1694.91,1428.13 ; 1802.82,1428.13 1818.23,1428.13 1833.65,1428.13 1849.07,1428.13 1864.48,1428.13 1874.74,1417.87 1885,1407.61 1895.26,1397.35 1905.52,1387.09 1915.78,1376.83 1926.04,1366.57 1936.29,1356.32 1946.55,1346.06 1956.81,1335.8
  L1 w8.94: 1721.75,1535.68 1721.75,1548.8 J202.66@1721.75,1561.93
  L1 w12.01: 1694.91,1428.13 1710.32,1428.13 1725.74,1428.13 1741.16,1428.13 1756.57,1428.13 1771.99,1428.13 1787.4,1428.13
  L1 w13.03: 1650.65,1464.58 1650.65,1453.06 1650.65,1441.55 1657.36,1434.84 1664.08,1428.13 ; 2206.16,1167.72 2221.8,1167.72 ; 2315.59,1167.72 2331.22,1167.72 2346.85,1167.72 ; 2456.28,1167.72 2471.91,1167.72 2487.54,1167.72
  L1 w14.05: 1787.4,1428.13 1802.82,1428.13 ; 2221.8,1167.72 2237.43,1167.72 2253.06,1167.72 2268.69,1167.72 2284.32,1167.72 2299.96,1167.72 2315.59,1167.72 ; 2346.85,1167.72 2362.49,1167.72 2378.12,1167.72 2393.75,1167.72 2409.38,1167.72 2425.02,1167.72 2440.65,1167.72 2456.28,1167.72 ; 2487.55,1167.71 2628.93,1026.34 2628.94,774.12 v1(2628.94,753.66)
  L8 w14.05: v1(2628.94,753.66) 2629.45,754.17 R213.1@2647.33,754.16
SAI2_MCLK_3V3: R1006.2 U202.17 | length 685.5
  L8 w4.85: 2907.82,734.96 2917.31,744.45 2926.8,753.95 2936.29,763.44 2945.78,772.93 2954.02,781.16
  L8 w6.9: 2880.58,734.96 2894.2,734.96 2907.82,734.96
  L8 w7.92: 2866.97,734.96 2880.58,734.96 ; 2954.02,798.65 2964.92,809.55 2974.56,819.19 2984.21,828.84
  L8 w8.94: 2984.21,828.84 2993.7,838.33
  L8 w12.01: 2566.79,892.87 2577.94,904.03 2589.09,915.18 2601.67,915.18 U202.17@2614.25,915.18
  L8 w13.03: 2555.64,806.99 2555.64,820.46 2555.64,835.78 ; 2555.64,866.41 2555.64,881.72 2566.79,892.87 ; 2568.69,793.94 2582.25,793.94 2597.66,793.94 2613.06,793.94 2628.47,793.94 2643.88,793.94 ; 2674.69,793.94 2690.1,793.94 2705.51,793.94
  L8 w14.05: 2555.64,806.99 2568.69,793.94 ; 2555.64,835.78 2555.64,851.09 2555.64,866.41 ; 2643.88,793.94 2659.29,793.94 2674.69,793.94 ; 2705.51,793.94 2720.91,793.94 2736.32,793.94 2751.73,793.94 2767.13,793.94 2826.12,734.96 2839.73,734.96 2853.35,734.96 2866.97,734.96 ; 2954.02,781.16 2954.02,798.65 ; 2993.7,838.34 2993.85,838.49 R1006.2@2993.86,855.61
SAI3_MCLK: J202.41 R401.1 R1005.2 | length 2516
  L1 w8.94: v1(1523.86,1602.69) 1523.86,1617.78 1523.86,1629.63
  L1 w9.96: J202.41@1532.17,1658.68 J202.41@1532.76,1669.64
  L1 w10.99: 1530.97,1636.74 1531.57,1647.71
  L1 w12.01: 1531.57,1647.71 J202.41@1532.17,1658.68
  L1 w14.05: 1523.86,1629.63 1530.97,1636.74 ; v1(3111.98,669.91) 3120.69,678.63 R401.1@3128.4,704.36
  L3 w3.83: 1523.86,1512.22 1523.86,1527.3
  L3 w4.85: 1523.86,1512.22 1523.86,1497.15 1523.86,1482.07 1523.86,1466.99 1534.86,1455.99 1545.86,1444.99 1556.86,1433.99 ; 1523.86,1527.3 1523.86,1542.38
  L3 w5.87: 1666.88,1323.97 1677.88,1312.97 1688.88,1301.97
  L3 w6.9: 1523.86,1542.38 1523.86,1557.46
  L3 w7.92: 1523.86,1587.61 v1(1523.86,1602.69)
  L3 w8.94: 1556.86,1433.99 1567.86,1422.99 ; 1895.12,1075.01 1905.72,1064.4 1916.32,1053.8
  L3 w10.99: 1818.15,1151.97 1824.82,1145.3 1831.5,1138.62 1842.1,1128.02 1852.71,1117.42 ; 1873.91,1096.21 1884.51,1085.61 1895.12,1075.01
  L3 w13.03: 1863.31,1106.81 1873.91,1096.21
  L3 w14.05: 1523.86,1557.46 1523.86,1572.53 1523.86,1587.61 ; 1567.86,1422.99 1578.86,1411.99 1589.87,1400.98 1600.87,1389.98 1611.87,1378.98 1622.87,1367.98 1633.87,1356.98 1644.87,1345.98 1655.88,1334.98 1666.88,1323.97 ; 1688.88,1301.97 1699.88,1290.97 1710.88,1279.97 1721.88,1268.97 1732.89,1257.96 1743.89,1246.96 1754.89,1235.96 1765.89,1224.96 1776.89,1213.96 1787.89,1202.96 1798.89,1191.96 1809.9,1180.95 1818.15,1172.7 1818.15,1151.97 ; 1852.71,1117.42 1863.31,1106.81 ; 1916.32,1053.8 1926.93,1043.2 1937.53,1032.59 1946.81,1023.32 1946.81,968.23 2031.97,883.07 2031.97,828.06 2137.93,722.1 2496.93,722.1 2580.67,638.36 v1(2682.47,638.36)
  L6 w13.03: 3063.17,621.11 3072.93,630.87
  L6 w14.05: v1(2682.47,638.36) 2808.89,638.36 2905.06,734.52 ; v1(2903.05,765.44) 2905.06,763.43 2905.06,734.52 ; 3063.17,621.11 3043.65,621.11 2930.24,734.52 2905.06,734.52 ; 3072.93,630.87 3082.69,640.63 3092.45,650.39 3102.21,660.15 v1(3111.98,669.91)
  L8 w8.94: 2908.63,771.02 2908.63,785.62 2908.63,800.23 2908.63,814.84 2908.63,829.44 2908.63,844.05
  L8 w12.01: 2908.63,844.05 2908.63,858.65 2908.63,873.26 R1005.2@2912.75,886.97
  L8 w14.05: v1(2903.05,765.44) 2908.63,771.02